# KiCad board OTTOdiy_SMD.kicad_pcb
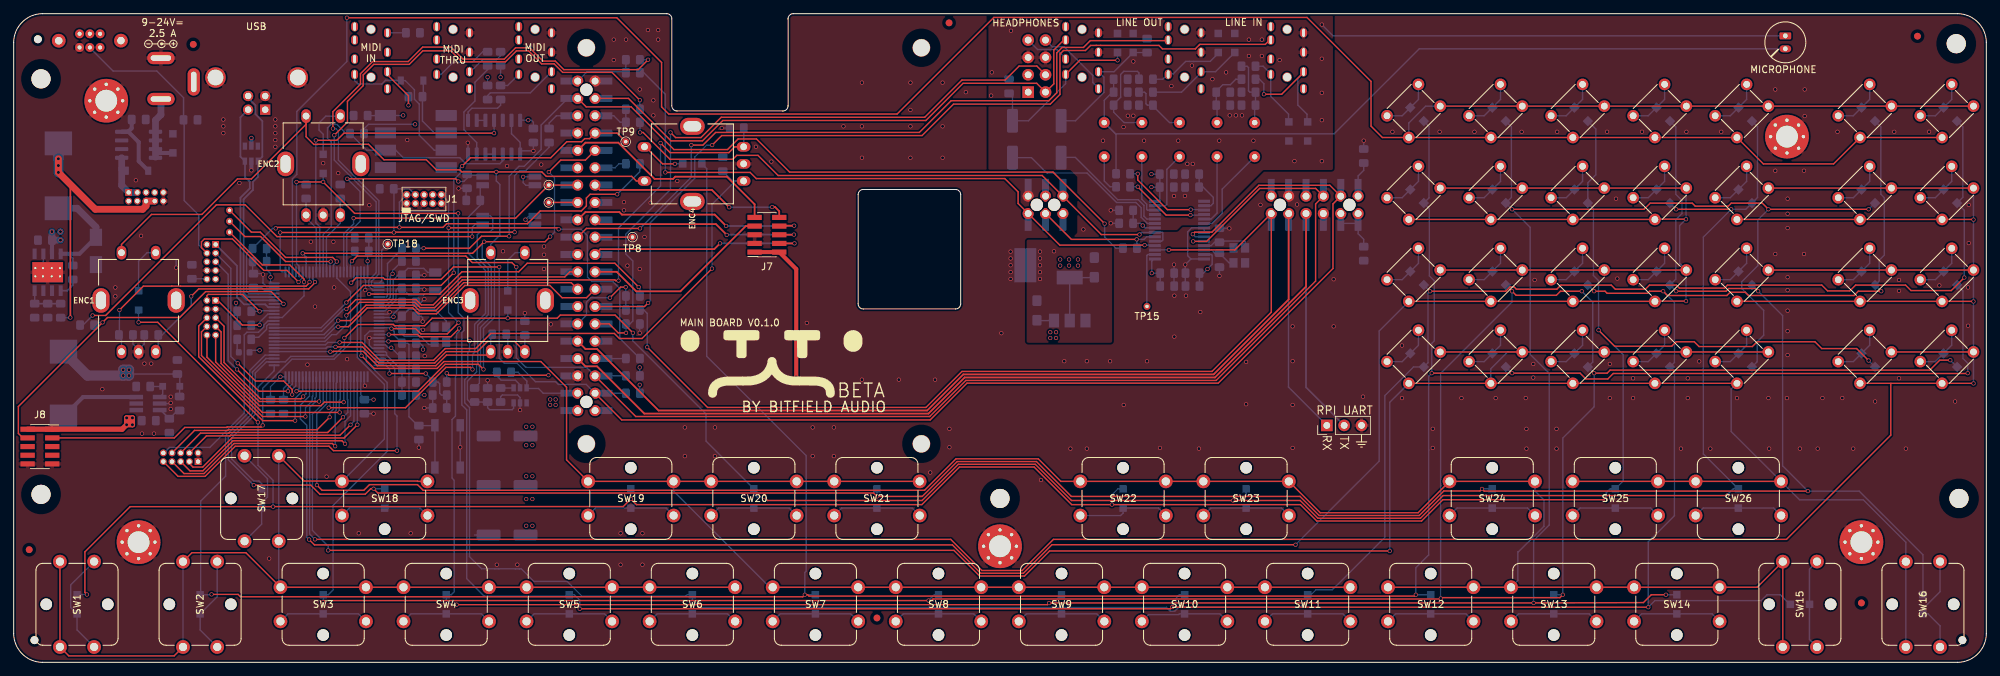
[diagram p0: board, top side]
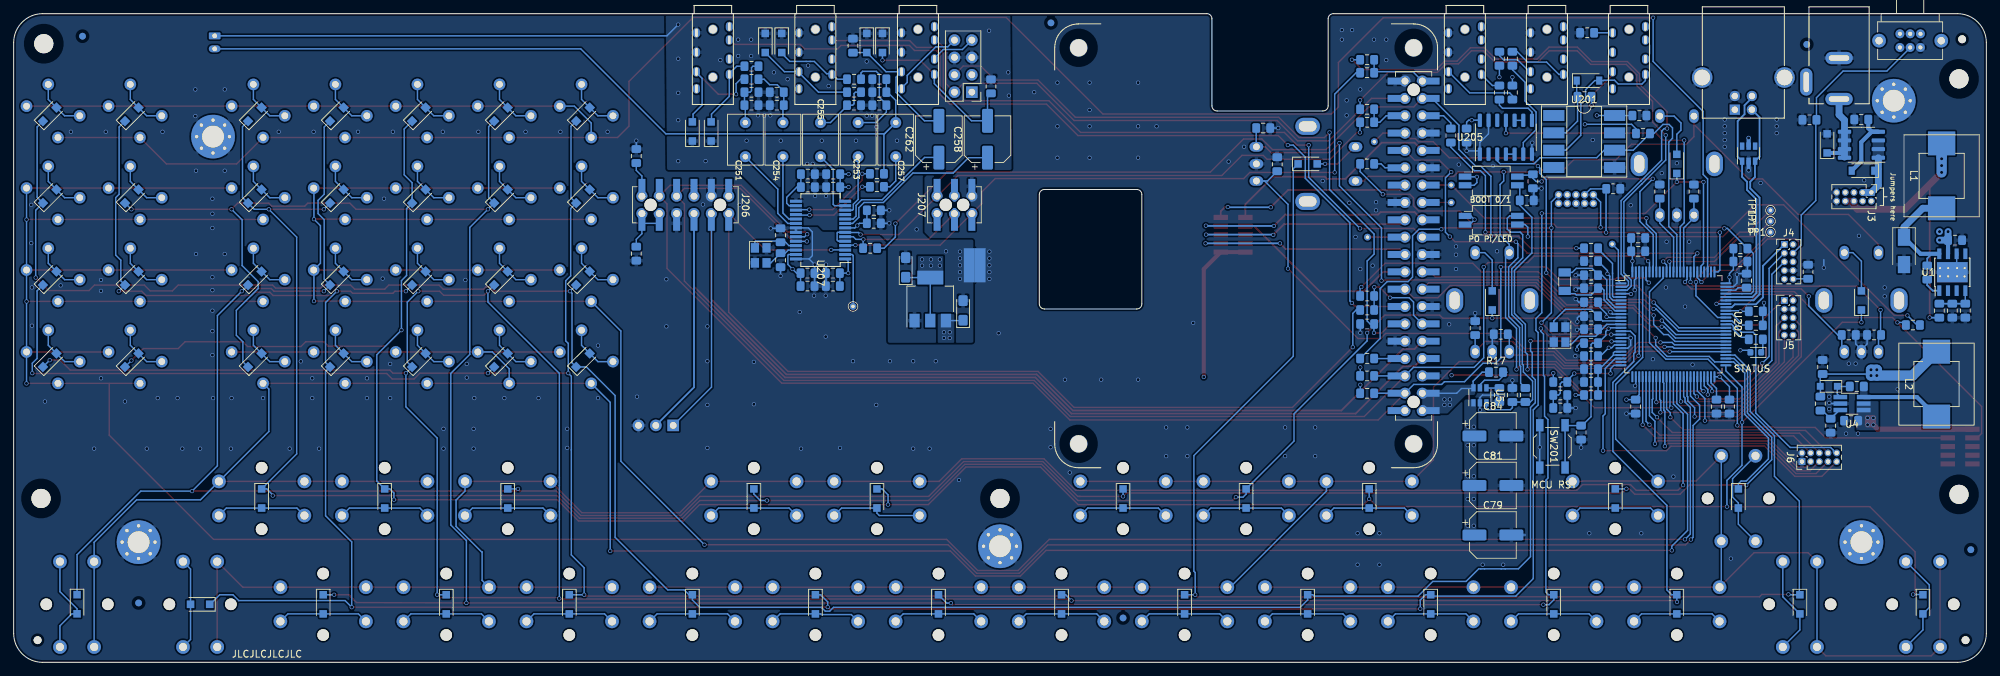
[diagram p1: board, bottom side, seen from below]

Outline 288.54 x 95 mm; copper layers: Top, In1.Cu, In2.Cu, Bottom. Coordinates in mm from the lower left corner of the outline.
Outline path: 0,90.75 0,4.25 arc(1.24,1.24) 4.25,0 284.29,0 arc(287.3,1.24) 288.54,4.25 288.54,90.75 arc(287.3,93.76) 284.29,95 114.02,95 arc(113.49,94.78) 113.27,94.25 113.27,81.5 arc(113.05,80.97) 112.52,80.75 97.02,80.75 arc(96.49,80.97) 96.27,81.5 96.27,94.25 arc(96.05,94.78) 95.52,95 4.25,95 arc(1.24,93.76) 0,90.75 ; 123.52,68.5 123.52,52.5 arc(123.74,51.97) 124.27,51.75 137.77,51.75 arc(138.3,51.97) 138.52,52.5 138.52,68.5 arc(138.3,69.03) 137.77,69.25 124.27,69.25 arc(123.74,69.03) 123.52,68.5

## Placement (name value [footprint] x y rotation side)
C1  10uF  [C_0805_2012Metric_Pad1.15x1.40mm_HandSolder]  4.57 61.83 0 bottom
C2  10nF  [C_0805_2012Metric_Pad1.15x1.40mm_HandSolder]  8.65 57.09 270 bottom
C3  10uF  [C_0805_2012Metric_Pad1.15x1.40mm_HandSolder]  26.07 57.2 270 bottom
C4  100nF  [C_0805_2012Metric_Pad1.15x1.40mm_HandSolder]  25.87 79.45 0 bottom
C48  100nF  [C_0805_2012Metric_Pad1.15x1.40mm_HandSolder]  59.27 33.65 90 bottom
C49  100nF  [C_0805_2012Metric_Pad1.15x1.40mm_HandSolder]  57.82 52.75 0 bottom
C50  100nF  [C_0805_2012Metric_Pad1.15x1.40mm_HandSolder]  57.82 44.85 0 bottom
C51  100nF  [C_0805_2012Metric_Pad1.15x1.40mm_HandSolder]  51.29 37.45 270 bottom
C52  100nF  [C_0805_2012Metric_Pad1.15x1.40mm_HandSolder]  37.57 37.45 270 bottom
C53  100nF  [C_0805_2012Metric_Pad1.15x1.40mm_HandSolder]  35.97 58.7 180 bottom
C54  100nF  [C_0805_2012Metric_Pad1.15x1.40mm_HandSolder]  50.92 60.2 180 bottom
C55  100nF  [C_0805_2012Metric_Pad1.15x1.40mm_HandSolder]  57.82 42.95 0 bottom
C56  100nF  [C_0805_2012Metric_Pad1.15x1.40mm_HandSolder]  62.32 37.25 0 bottom
C59  10uF  [C_0805_2012Metric_Pad1.15x1.40mm_HandSolder]  19.77 35.4 0 bottom
C60  100nF  [C_0805_2012Metric_Pad1.15x1.40mm_HandSolder]  16.42 47.95 0 bottom
C61  100nF  [C_0805_2012Metric_Pad1.15x1.40mm_HandSolder]  20.12 47.95 0 bottom
C62  100nF  [C_0805_2012Metric_Pad1.15x1.40mm_HandSolder]  42.77 68.95 90 bottom
C63  100nF  [C_0805_2012Metric_Pad1.15x1.40mm_HandSolder]  47.77 68.95 270 bottom
C64  100nF  [C_0805_2012Metric_Pad1.15x1.40mm_HandSolder]  71.02 48.05 0 bottom
C65  100nF  [C_0805_2012Metric_Pad1.15x1.40mm_HandSolder]  74.77 48.95 270 bottom
C66  100nF  [C_0805_2012Metric_Pad1.15x1.40mm_HandSolder]  103.72 72.95 90 bottom
C67  100nF  [C_0805_2012Metric_Pad1.15x1.40mm_HandSolder]  105.77 78.25 0 bottom
C68  100nF  [C_0805_2012Metric_Pad1.15x1.40mm_HandSolder]  50.74 80.07 0 bottom
C69  100nF  [C_0805_2012Metric_Pad1.15x1.40mm_HandSolder]  76.02 77.15 90 bottom
C70  100nF  [C_0805_2012Metric_Pad1.15x1.40mm_HandSolder]  168.72 57 0 bottom
C71  100nF  [C_0805_2012Metric_Pad1.15x1.40mm_HandSolder]  172.42 57 0 bottom
C72  100nF  [C_0805_2012Metric_Pad1.15x1.40mm_HandSolder]  168.67 69.6 0 bottom
C73  100nF  [C_0805_2012Metric_Pad1.15x1.40mm_HandSolder]  162.72 64.3 180 bottom
C74  100nF  [C_0805_2012Metric_Pad1.15x1.40mm_HandSolder]  172.37 69.6 180 bottom
C79  220uF  [CP_Elec_6.3x4.5]  72.17 18.65 0 bottom
C81  220uF  [CP_Elec_6.3x4.5]  72.17 25.9 0 bottom
C84  220uF  [CP_Elec_6.3x4.5]  72.17 33.15 0 bottom
C86  22nF  [C_0805_2012Metric_Pad1.15x1.40mm_HandSolder]  18.95 40.4 180 bottom
C87  10nF  [C_0805_2012Metric_Pad1.15x1.40mm_HandSolder]  71.22 39.15 270 bottom
C88  22uF  [C_0805_2012Metric_Pad1.15x1.40mm_HandSolder]  23.95 43.25 90 bottom
C96  15pF  [C_0805_2012Metric_Pad1.15x1.40mm_HandSolder]  57.82 56.7 0 bottom
C97  15pF  [C_0805_2012Metric_Pad1.15x1.40mm_HandSolder]  57.82 54.8 0 bottom
C98  100nF  [C_0805_2012Metric_Pad1.15x1.40mm_HandSolder]  58.4 92.2 180 bottom
C204  30pF  [C_0805_2012Metric_Pad1.15x1.40mm_HandSolder]  57.82 50.7 0 bottom
C205  30pF  [C_0805_2012Metric_Pad1.15x1.40mm_HandSolder]  57.82 48.8 0 bottom
C211  4.7uF  [C_0805_2012Metric_Pad1.15x1.40mm_HandSolder]  50.92 62.15 180 bottom
C218  1uF  [C_0805_2012Metric_Pad1.15x1.40mm_HandSolder]  57.82 58.75 180 bottom
C219  1uF  [C_0805_2012Metric_Pad1.15x1.40mm_HandSolder]  57.82 41.05 0 bottom
C221  2.2uF  [C_0805_2012Metric_Pad1.15x1.40mm_HandSolder]  39.47 37.45 270 bottom
C222  2.2uF  [C_0805_2012Metric_Pad1.15x1.40mm_HandSolder]  35.07 55.9 90 bottom
C243  10uF  [C_0805_2012Metric_Pad1.15x1.40mm_HandSolder]  168.72 55.1 180 bottom
C246  10uF  [C_0805_2012Metric_Pad1.15x1.40mm_HandSolder]  168.67 71.5 180 bottom
C247  10uF  [C_0805_2012Metric_Pad1.15x1.40mm_HandSolder]  172.42 55.1 180 bottom
C250  10uF  [C_0805_2012Metric_Pad1.15x1.40mm_HandSolder]  162.72 66.2 0 bottom
C251  1uF (AUDIO)  [C_Rect_L7.2mm_W5.0mm_P5.00mm_FKS2_FKP2_MKS2_MKP2]  181.52 74.05 90 bottom
C252  220pF (C0G)  [C_0805_2012Metric_Pad1.15x1.40mm_HandSolder]  180.62 81.6 180 bottom
C253  1uF (AUDIO)  [C_Rect_L7.2mm_W5.0mm_P5.00mm_FKS2_FKP2_MKS2_MKP2]  165.02 79.05 270 bottom
C254  1uF (AUDIO)  [C_Rect_L7.2mm_W5.0mm_P5.00mm_FKS2_FKP2_MKS2_MKP2]  176.02 74.05 90 bottom
C255  1uF (AUDIO)  [C_Rect_L7.2mm_W5.0mm_P5.00mm_FKS2_FKP2_MKS2_MKP2]  170.52 79.05 270 bottom
C256  220pF (C0G)  [C_0805_2012Metric_Pad1.15x1.40mm_HandSolder]  176.92 81.6 0 bottom
C257  1uF (AUDIO)  [C_Rect_L7.2mm_W5.0mm_P5.00mm_FKS2_FKP2_MKS2_MKP2]  159.52 74.05 90 bottom
C258  220uF  [CP_Elec_6.3x4.5]  146.1 76.61 270 bottom
C259  220pF (C0G)  [C_0805_2012Metric_Pad1.15x1.40mm_HandSolder]  161.92 83.5 0 bottom
C260  10uF  [C_0805_2012Metric_Pad1.15x1.40mm_HandSolder]  197.47 74.15 270 bottom
C261  10uF  [C_0805_2012Metric_Pad1.15x1.40mm_HandSolder]  197.47 59.85 90 bottom
C262  220uF  [CP_Elec_6.3x4.5]  153.21 76.61 270 bottom
C264  10uF  [C_0805_2012Metric_Pad1.15x1.40mm_HandSolder]  172.37 71.5 0 bottom
C265  30pF  [C_0805_2012Metric_Pad1.15x1.40mm_HandSolder]  176.37 62.55 90 bottom
C266  30pF  [C_0805_2012Metric_Pad1.15x1.40mm_HandSolder]  176.37 58.9 270 bottom
C267  10uf Tantalum  [CP_EIA-3216-18_Kemet-A_Pad1.58x1.35mm_HandSolder]  149.67 51.54 270 bottom
C268  10uf Tantalum  [CP_EIA-3216-18_Kemet-A_Pad1.58x1.35mm_HandSolder]  158.07 57.84 270 bottom
D1  SM4007PL  [D_SOD-123F]  9.27 8.5 270 bottom
D2  SM4007PL  [D_SOD-123F]  27.27 8.5 270 bottom
D3  SM4007PL  [D_SOD-123F]  45.27 8.5 270 bottom
D4  SM4007PL  [D_SOD-123F]  63.27 8.5 270 bottom
D5  SM4007PL  [D_SOD-123F]  81.27 8.5 270 bottom
D6  SM4007PL  [D_SOD-123F]  99.27 8.5 270 bottom
D7  SM4007PL  [D_SOD-123F]  117.27 8.5 270 bottom
D8  SM4007PL  [D_SOD-123F]  135.27 8.5 270 bottom
D9  SM4007PL  [D_SOD-123F]  153.27 8.5 270 bottom
D10  SM4007PL  [D_SOD-123F]  171.27 8.5 270 bottom
D11  SM4007PL  [D_SOD-123F]  189.27 8.5 270 bottom
D12  SM4007PL  [D_SOD-123F]  207.27 8.5 270 bottom
D13  SM4007PL  [D_SOD-123F]  225.27 8.5 270 bottom
D14  SM4007PL  [D_SOD-123F]  243.27 8.5 270 bottom
D15  SM4007PL  [D_SOD-123F]  261.27 8.5 0 bottom
D16  SM4007PL  [D_SOD-123F]  279.27 8.51 270 bottom
D17  SM4007PL  [D_SOD-123F]  36.27 24 270 bottom
D18  SM4007PL  [D_SOD-123F]  54.27 24 270 bottom
D19  SM4007PL  [D_SOD-123F]  90.27 24 270 bottom
D20  SM4007PL  [D_SOD-123F]  108.27 24 270 bottom
D21  SM4007PL  [D_SOD-123F]  126.27 24 270 bottom
D22  SM4007PL  [D_SOD-123F]  162.27 24 270 bottom
D23  SM4007PL  [D_SOD-123F]  180.27 24 270 bottom
D24  SM4007PL  [D_SOD-123F]  216.27 24 270 bottom
D25  SM4007PL  [D_SOD-123F]  234.27 24 270 bottom
D26  SM4007PL  [D_SOD-123F]  252.27 24 270 bottom
D27  SM4007PL  [D_SOD-123F]  205.27 44.25 135 bottom
D28  SM4007PL  [D_SOD-123F]  217.27 44.25 135 bottom
D29  SM4007PL  [D_SOD-123F]  229.27 44.25 135 bottom
D30  SM4007PL  [D_SOD-123F]  241.27 44.25 135 bottom
D31  SM4007PL  [D_SOD-123F]  253.27 44.25 135 bottom
D32  SM4007PL  [D_SOD-123F]  271.27 44.25 135 bottom
D33  SM4007PL  [D_SOD-123F]  283.27 44.25 135 bottom
D34  SM4007PL  [D_SOD-123F]  205.27 56.25 135 bottom
D35  SM4007PL  [D_SOD-123F]  217.27 56.25 135 bottom
D36  SM4007PL  [D_SOD-123F]  229.27 56.25 135 bottom
D37  SM4007PL  [D_SOD-123F]  241.27 56.25 135 bottom
D38  SM4007PL  [D_SOD-123F]  253.27 56.25 135 bottom
D39  SM4007PL  [D_SOD-123F]  271.27 56.25 135 bottom
D40  SM4007PL  [D_SOD-123F]  283.27 56.25 135 bottom
D41  SM4007PL  [D_SOD-123F]  205.27 68.25 135 bottom
D42  SM4007PL  [D_SOD-123F]  217.27 68.25 135 bottom
D43  SM4007PL  [D_SOD-123F]  229.27 68.25 135 bottom
D44  SM4007PL  [D_SOD-123F]  241.27 68.25 135 bottom
D45  SM4007PL  [D_SOD-123F]  253.27 68.25 135 bottom
D46  SM4007PL  [D_SOD-123F]  271.27 68.25 135 bottom
D47  SM4007PL  [D_SOD-123F]  283.27 68.25 135 bottom
D48  15V BI TVS  [D_SOD-123F]  23.29 76 90 bottom
D49  15V ZENER  [D_SOD-123]  18.04 72 0 bottom
D50  6V BI TVS  [D_SOD-123F]  189.27 77.75 90 bottom
D51  6V BI TVS  [D_SOD-123F]  186.52 77.75 90 bottom
D52  6V BI TVS  [D_SOD-123F]  178.61 90.71 270 bottom
D53  6V BI TVS  [D_SOD-123F]  176.19 90.71 270 bottom
D54  1N4148  [D_SOD-323_HandSoldering]  23.05 40.42 0 bottom
D55  6V BI TVS  [D_SOD-123F]  163.75 90.71 270 bottom
D56  6V BI TVS  [D_SOD-123F]  161.46 90.71 270 bottom
D57  RED LED  [LED_0603_1608Metric]  33.72 45.4 0 bottom
D58  SM4007PL  [D_SOD-123F]  205.27 80.25 135 bottom
D59  SM4007PL  [D_SOD-123F]  217.27 80.25 135 bottom
D60  SM4007PL  [D_SOD-123F]  229.27 80.25 135 bottom
D61  SM4007PL  [D_SOD-123F]  241.27 80.25 135 bottom
D62  SM4007PL  [D_SOD-123F]  253.27 80.25 135 bottom
D63  SM4007PL  [D_SOD-123F]  271.27 80.25 135 bottom
D64  SM4007PL  [D_SOD-123F]  283.27 80.25 135 bottom
D65  SS34  [D_SMA]  12.04 60.25 270 bottom
D202  SM4007PL  [D_SOD-123F]  18.27 53 90 bottom
D203  SM4007PL  [D_SOD-123F]  72.27 53 90 bottom
D204  SM4007PL  [D_SOD-123F]  45.27 73 90 bottom
D205  SM4007PL  [D_SOD-123F]  99.27 73 180 bottom
D206  1N4148W  [D_SOD-123]  58.27 85.2 180 bottom
DC201  Barrel Jack, 2.0mmID, 6.5mmOD  [BarrelJack_2.0mmID_6.5mmOD]  21.54 96 180 bottom
ENC1  ALPS EC11E183440C  [ALPS_EC11]  18.27 53 0 top
ENC2  ALPS EC11E183440C  [ALPS_EC11]  45.27 73 0 top
ENC3  ALPS EC11E183440C  [ALPS_EC11]  72.27 53 0 top
ENC4  ALPS EC11E183440C  [ALPS_EC11]  99.27 73 90 top
FID1  Fiducial  [Fiducial_1mm_Mask2mm]  26.27 90.5 0 top
FID2  Fiducial  [Fiducial_1mm_Mask2mm]  2.27 16.5 0 top
FID3  Fiducial  [Fiducial_1mm_Mask2mm]  136.82 93.65 0 top
FID4  Fiducial  [Fiducial_1mm_Mask2mm]  126.27 6.5 0 top
FID5  Fiducial  [Fiducial_1mm_Mask2mm]  278.47 91.7 0 top
FID6  Fiducial  [Fiducial_1mm_Mask2mm]  270.27 8.7 0 top
FID7  Fiducial  [Fiducial_1mm_Mask2mm]  26.27 90.5 0 bottom
FID8  Fiducial  [Fiducial_1mm_Mask2mm]  2.27 16.5 0 bottom
FID9  Fiducial  [Fiducial_1mm_Mask2mm]  136.82 93.65 0 bottom
FID10  Fiducial  [Fiducial_1mm_Mask2mm]  126.27 6.5 0 bottom
FID11  Fiducial  [Fiducial_1mm_Mask2mm]  278.47 91.7 0 bottom
FID12  Fiducial  [Fiducial_1mm_Mask2mm]  270.27 8.7 0 bottom
G***  otto_logo  [otto_logo_small]  110.94 43.51 0 top
H1  MountingHole_Pad  [MountingHole_3.2mm_M3_Pad_Via]  13.54 82.25 0 top
H2  MountingHole_Pad  [MountingHole_3.2mm_M3_Pad_Via]  259.38 76.99 0 top
H3  MountingHole_Pad  [MountingHole_3.2mm_M3_Pad_Via]  18.27 17.6 0 top
H4  MountingHole_Pad  [MountingHole_3.2mm_M3_Pad_Via]  270.27 17.6 0 top
H5  MountingHole_Pad  [MountingHole_3.2mm_M3_Pad_Via]  144.27 17 0 top
H101  Tooling Hole  [JLC_TOOLING_HOLE]  3.04 3.25 0 top
H102  Tooling Hole  [JLC_TOOLING_HOLE]  285.04 3.25 0 top
H103  Tooling Hole  [JLC_TOOLING_HOLE]  3.54 91.25 0 top
H201  MountingHole  [Mounting_Hole_M2.5_Loose_Fit]  4 85.45 0 top
H202  MountingHole  [Mounting_Hole_M2.5_Loose_Fit]  284.14 90.6 0 top
H203  MountingHole  [Mounting_Hole_M2.5_Loose_Fit]  4 24.6 0 top
H204  MountingHole  [Mounting_Hole_M2.5_Loose_Fit]  284.54 24 0 top
H205  MountingHole  [Mounting_Hole_M2.5_Loose_Fit]  144.27 24 0 top
J1  Conn_ARM_JTAG_SWD_10  [20021111-00010T4LF_SWD_HEADER]  60.02 67.85 0 top
J2  Conn_02x04  [PinHeader_2x04_P2.54mm_Vertical]  148.39 83.51 0 bottom
J3  Conn_02x05  [PinHeader_2x05_P1.27mm_Vertical]  16.82 68.82 270 bottom
J4  Conn_02x05  [PinHeader_2x05_P1.27mm_Vertical]  29.54 61.2 180 bottom
J5  Conn_02x05  [PinHeader_2x05_P1.27mm_Vertical]  29.54 53 180 bottom
J6  Conn_02x05  [PinHeader_2x05_P1.27mm_Vertical]  26.97 29.4 90 bottom
J7  Conn_02x05_Odd_Even  [PinSocket_2x05_P1.27mm_Vertical_SMD]  110.18 62.62 180 top
J8  Conn_02x05_Odd_Even  [PinSocket_2x05_P1.27mm_Vertical_SMD]  3.84 31.6 0 top
J9  Conn_01x03  [PinHeader_1x03_P2.54mm_Vertical]  192.07 34.7 90 top
J201  Raspberry Pi Connector  [Raspberry_Pi_A_FacingDown_TH]  83.77 61 180 bottom
J206  Conn_02x06  [Harwin_M20-7810645_2x06_P2.54mm_Vertical_SolderHoles]  190.3 67 270 bottom
J207  Conn_02x03  [Harwin_M20-7810345_2x03_P2.54mm_Vertical_SolderHoles]  150.93 67 270 bottom
L1  15uH  [L_10.5x11.5]  6.54 71.25 90 bottom
L2  15uH  [L_10.5x11.5]  7.29 40.75 90 bottom
MK201  Microphone  [INGHAi_GMI6050p]  259.14 90.8 270 top
NT1  Net-Tie_2  [NetTie-2_Pad5.0mm]  147.97 58.15 180 bottom
Q1  AO4407A  [SOIC-8_3.9x4.9mm_P1.27mm]  18.27 75.8 90 bottom
R1  0  [R_0805_2012Metric_Pad1.15x1.40mm_HandSolder]  90.57 73 0 bottom
R2  0  [R_0805_2012Metric_Pad1.15x1.40mm_HandSolder]  78.32 77.15 90 bottom
R3  0  [R_0805_2012Metric_Pad1.15x1.40mm_HandSolder]  90.57 44.5 180 bottom
R4  47k  [R_0805_2012Metric_Pad1.15x1.40mm_HandSolder]  57.82 46.75 180 bottom
R6  4.7K  [R_0805_2012Metric_Pad1.15x1.40mm_HandSolder]  35.97 60.6 180 bottom
R7  4.7K  [R_0805_2012Metric_Pad1.15x1.40mm_HandSolder]  54.57 69.35 180 bottom
R9  49.9k  [R_0805_2012Metric_Pad1.15x1.40mm_HandSolder]  24.27 37.9 270 bottom
R11  4.3k  [R_0805_2012Metric_Pad1.15x1.40mm_HandSolder]  4.97 51.5 270 bottom
R13  100k  [R_0805_2012Metric_Pad1.15x1.40mm_HandSolder]  18.29 79.5 0 bottom
R14  10k  [R_0805_2012Metric_Pad1.15x1.40mm_HandSolder]  6.87 51.5 90 bottom
R15  13k  [R_0805_2012Metric_Pad1.15x1.40mm_HandSolder]  3.07 51.5 270 bottom
R16  100k  [R_0805_2012Metric_Pad1.15x1.40mm_HandSolder]  69.32 39.15 90 bottom
R17  0  [R_0805_2012Metric_Pad1.15x1.40mm_HandSolder]  71.72 42.5 180 bottom
R18  16k  [R_0805_2012Metric_Pad1.15x1.40mm_HandSolder]  22.77 34.65 270 bottom
R19  0  [R_0805_2012Metric_Pad1.15x1.40mm_HandSolder]  57.82 39.15 0 bottom
R26  100k  [R_0805_2012Metric_Pad1.15x1.40mm_HandSolder]  90.57 49.55 0 bottom
R28  330  [R_0805_2012Metric_Pad1.15x1.40mm_HandSolder]  33.72 47.3 180 bottom
R29  10k  [R_0805_2012Metric_Pad1.15x1.40mm_HandSolder]  62.32 39.15 180 bottom
R30  10k  [R_0805_2012Metric_Pad1.15x1.40mm_HandSolder]  62.32 41.05 180 bottom
R31  10k  [R_0805_2012Metric_Pad1.15x1.40mm_HandSolder]  67.42 39.15 90 bottom
R32  10k  [R_0805_2012Metric_Pad1.15x1.40mm_HandSolder]  10.74 49.4 0 bottom
R202  2.2k  [R_0805_2012Metric_Pad1.15x1.40mm_HandSolder]  90.57 41.95 180 bottom
R203  47k  [R_0805_2012Metric_Pad1.15x1.40mm_HandSolder]  66.32 70.45 90 bottom
R204  47k  [R_0805_2012Metric_Pad1.15x1.40mm_HandSolder]  67.22 67.65 0 bottom
R205  2.2k  [R_0805_2012Metric_Pad1.15x1.40mm_HandSolder]  90.57 39.4 180 bottom
R206  2.2k  [R_0805_2012Metric_Pad1.15x1.40mm_HandSolder]  33.72 51.4 180 bottom
R207  2.2k  [R_0805_2012Metric_Pad1.15x1.40mm_HandSolder]  33.72 49.35 0 bottom
R212  10  [R_0805_2012Metric_Pad1.15x1.40mm_HandSolder]  71.22 83.45 90 bottom
R213  33  [R_0805_2012Metric_Pad1.15x1.40mm_HandSolder]  69.32 83.45 270 bottom
R214  10  [R_0805_2012Metric_Pad1.15x1.40mm_HandSolder]  69.32 88.4 90 bottom
R215  33  [R_0805_2012Metric_Pad1.15x1.40mm_HandSolder]  71.22 88.4 90 bottom
R216  270  [R_0805_2012Metric_Pad1.15x1.40mm_HandSolder]  50.22 77.45 180 bottom
R217  220  [R_0805_2012Metric_Pad1.15x1.40mm_HandSolder]  58.77 82.85 180 bottom
R218  5.1k  [R_0805_2012Metric_Pad1.15x1.40mm_HandSolder]  180.62 87.3 0 bottom
R219  5.1k  [R_0805_2012Metric_Pad1.15x1.40mm_HandSolder]  180.62 83.5 180 bottom
R220  100  [R_0805_2012Metric_Pad1.15x1.40mm_HandSolder]  165.62 85.4 0 bottom
R221  47k  [R_0805_2012Metric_Pad1.15x1.40mm_HandSolder]  161.92 81.6 180 bottom
R222  5.1k  [R_0805_2012Metric_Pad1.15x1.40mm_HandSolder]  180.62 85.4 0 bottom
R223  100  [R_0805_2012Metric_Pad1.15x1.40mm_HandSolder]  165.62 83.5 0 bottom
R224  5.1k  [R_0805_2012Metric_Pad1.15x1.40mm_HandSolder]  176.92 83.5 0 bottom
R225  47k  [R_0805_2012Metric_Pad1.15x1.40mm_HandSolder]  165.62 81.6 0 bottom
R226  680  [R_0805_2012Metric_Pad1.15x1.40mm_HandSolder]  162.27 71.55 180 bottom
R227  330  [R_0805_2012Metric_Pad1.15x1.40mm_HandSolder]  162.27 69.65 180 bottom
R228  47k  [R_0805_2012Metric_Pad1.15x1.40mm_HandSolder]  145.59 84.36 270 bottom
R229  47k  [R_0805_2012Metric_Pad1.15x1.40mm_HandSolder]  161.92 85.4 180 bottom
R230  47k  [R_0805_2012Metric_Pad1.15x1.40mm_HandSolder]  165.78 90.32 270 bottom
R231  33  [R_0805_2012Metric_Pad1.15x1.40mm_HandSolder]  90.57 51.6 0 bottom
R232  33  [R_0805_2012Metric_Pad1.15x1.40mm_HandSolder]  90.57 79.1 0 bottom
R233  33  [R_0805_2012Metric_Pad1.15x1.40mm_HandSolder]  163.27 60.65 0 bottom
R234  33  [R_0805_2012Metric_Pad1.15x1.40mm_HandSolder]  90.57 86.35 0 bottom
R235  33  [R_0805_2012Metric_Pad1.15x1.40mm_HandSolder]  90.57 53.65 0 bottom
R236  33  [R_0805_2012Metric_Pad1.15x1.40mm_HandSolder]  90.57 81 0 bottom
R237  33  [R_0805_2012Metric_Pad1.15x1.40mm_HandSolder]  57.82 60.65 180 bottom
R238  33  [R_0805_2012Metric_Pad1.15x1.40mm_HandSolder]  90.57 88.25 0 bottom
SW1  ALPS SKHC  [ALPS_SKHC_white]  9.27 8.5 270 top
SW2  ALPS SKHC  [ALPS_SKHC_white]  27.27 8.5 270 top
SW3  ALPS SKHC  [ALPS_SKHC_white]  45.27 8.5 180 top
SW4  ALPS SKHC  [ALPS_SKHC_white]  63.27 8.5 180 top
SW5  ALPS SKHC  [ALPS_SKHC_white]  81.27 8.5 180 top
SW6  ALPS SKHC  [ALPS_SKHC_white]  99.27 8.5 180 top
SW7  ALPS SKHC  [ALPS_SKHC_white]  117.27 8.5 180 top
SW8  ALPS SKHC  [ALPS_SKHC_white]  135.27 8.5 180 top
SW9  ALPS SKHC  [ALPS_SKHC_white]  153.27 8.5 180 top
SW10  ALPS SKHC  [ALPS_SKHC_white]  171.27 8.5 180 top
SW11  ALPS SKHC  [ALPS_SKHC_white]  189.27 8.5 180 top
SW12  ALPS SKHC  [ALPS_SKHC_white]  207.27 8.5 180 top
SW13  ALPS SKHC  [ALPS_SKHC_white]  225.27 8.5 180 top
SW14  ALPS SKHC  [ALPS_SKHC_white]  243.27 8.5 180 top
SW15  ALPS SKHC  [ALPS_SKHC_white]  261.27 8.5 270 top
SW16  ALPS SKHC  [ALPS_SKHC_white]  279.27 8.5 270 top
SW17  ALPS SKHC  [ALPS_SKHC_black]  36.27 24 90 top
SW18  ALPS SKHC  [ALPS_SKHC_black]  54.27 24 180 top
SW19  ALPS SKHC  [ALPS_SKHC_black]  90.27 24 180 top
SW20  ALPS SKHC  [ALPS_SKHC_black]  108.27 24 180 top
SW21  ALPS SKHC  [ALPS_SKHC_black]  126.27 24 180 top
SW22  ALPS SKHC  [ALPS_SKHC_black]  162.27 24 180 top
SW23  ALPS SKHC  [ALPS_SKHC_black]  180.27 24 180 top
SW24  ALPS SKHC  [ALPS_SKHC_black]  216.27 24 180 top
SW25  ALPS SKHC  [ALPS_SKHC_black]  234.27 24 180 top
SW26  ALPS SKHC  [ALPS_SKHC_black]  252.27 24 180 top
SW27  6x6x13mm  [6x6mm_Switch]  204.77 44.75 45 top
SW28  6x6x13mm  [6x6mm_Switch]  216.77 44.75 45 top
SW29  6x6x13mm  [6x6mm_Switch]  228.77 44.75 45 top
SW30  6x6x13mm  [6x6mm_Switch]  240.77 44.75 45 top
SW31  6x6x13mm  [6x6mm_Switch]  252.77 44.75 45 top
SW32  6x6x13mm  [6x6mm_Switch]  270.77 44.75 45 top
SW33  6x6x13mm  [6x6mm_Switch]  282.77 44.75 45 top
SW34  6x6x13mm  [6x6mm_Switch]  204.77 56.75 45 top
SW35  6x6x13mm  [6x6mm_Switch]  216.77 56.75 45 top
SW36  6x6x13mm  [6x6mm_Switch]  228.77 56.75 45 top
SW37  6x6x13mm  [6x6mm_Switch]  240.77 56.75 45 top
SW38  6x6x13mm  [6x6mm_Switch]  252.77 56.75 45 top
SW39  6x6x13mm  [6x6mm_Switch]  270.77 56.75 45 top
SW40  6x6x13mm  [6x6mm_Switch]  282.77 56.75 45 top
SW41  6x6x13mm  [6x6mm_Switch]  204.77 68.75 45 top
SW42  6x6x13mm  [6x6mm_Switch]  216.77 68.75 45 top
SW43  6x6x13mm  [6x6mm_Switch]  228.77 68.75 45 top
SW44  6x6x13mm  [6x6mm_Switch]  240.77 68.75 45 top
SW45  6x6x13mm  [6x6mm_Switch]  252.77 68.75 45 top
SW46  6x6x13mm  [6x6mm_Switch]  270.77 68.75 45 top
SW47  6x6x13mm  [6x6mm_Switch]  282.77 68.75 45 top
SW48  SW_DIP_x02  [SW_DIP_SPSTx02_Slide_HRO_EP-02KS]  72.42 64.75 180 bottom
SW49  SW_DPDT_x2  [SSAC120100]  11.14 91.05 0 bottom
SW50  6x6x13mm  [6x6mm_Switch]  204.77 80.75 45 top
SW51  6x6x13mm  [6x6mm_Switch]  216.77 80.75 45 top
SW52  6x6x13mm  [6x6mm_Switch]  228.77 80.75 45 top
SW53  6x6x13mm  [6x6mm_Switch]  240.77 80.75 45 top
SW54  6x6x13mm  [6x6mm_Switch]  252.77 80.75 45 top
SW55  6x6x13mm  [6x6mm_Switch]  270.77 80.75 45 top
SW56  6x6x13mm  [6x6mm_Switch]  282.77 80.75 45 top
SW201  5.2x5.2x1.5mm  [SW_SPST_5.2x5.2x1.5mm]  63.47 31.62 270 bottom
SW202  SW_DIP_x02  [SW_DIP_SPSTx02_Slide_HRO_EP-02KS]  72.42 70.5 180 bottom
TP1  TestPoint  [TestPoint_THTPad_D1.0mm_Drill0.5mm]  31.57 63 180 bottom
TP2  TestPoint  [TestPoint_THTPad_D1.0mm_Drill0.5mm]  78.27 67.35 0 top
TP7  TestPoint  [TestPoint_THTPad_D1.0mm_Drill0.5mm]  78.27 69.9 0 top
TP8  TestPoint  [TestPoint_THTPad_D1.0mm_Drill0.5mm]  90.52 62.27 0 top
TP9  TestPoint  [TestPoint_THTPad_D1.0mm_Drill0.5mm]  89.52 76.25 0 top
TP15  TestPoint  [TestPoint_THTPad_D1.0mm_Drill0.5mm]  165.77 52.12 0 bottom
TP16  TestPoint  [TestPoint_THTPad_D1.0mm_Drill0.5mm]  31.57 64.6 90 bottom
TP17  TestPoint  [TestPoint_THTPad_D1.0mm_Drill0.5mm]  31.57 66.2 270 bottom
TP18  TestPoint  [TestPoint_THTPad_D1.0mm_Drill0.5mm]  54.72 61.25 0 top
TRS201  PJ-3930-8A  [3.5mm_jack_PJ-3930-8A]  76.27 95 270 bottom
TRS202  PJ-3930-8A  [3.5mm_jack_PJ-3930-8A]  64.27 95 270 bottom
TRS203  PJ-3930-8A  [3.5mm_jack_PJ-3930-8A]  52.27 95 270 bottom
TRS204  PJ-3930-8A  [3.5mm_jack_PJ-3930-8A]  186.27 95 270 bottom
TRS205  PJ-3930-8A  [3.5mm_jack_PJ-3930-8A]  171.27 95 270 bottom
TRS206  PJ-3930-8A  [3.5mm_jack_PJ-3930-8A]  156.27 95 270 bottom
U1  TPS5430DDA  [TI_SO-PowerPAD-8_ThermalVias]  4.97 57.13 180 bottom
U4  MP2359  [TSOT-23-6_HandSoldering]  19.65 37.9 0 bottom
U5  TPS22918_SOT23-6_A  [SOT-23-6]  74.07 39.1 270 bottom
U201  6N137  [DIP-8_W8.89mm_SMDSocket_LongPads]  58.82 76.27 180 bottom
U202  STM32F407VGTx  [LQFP-100_14x14mm_P0.5mm]  45.77 49.5 270 bottom
U204  SRV05-4  [SOT-23-6]  34.77 74.5 270 bottom
U205  SN74HC14  [SOIC-14_3.9x8.7mm_P1.27mm]  70.27 76.9 180 bottom
U207  WM8731  [SSOP-28_5.3x10.2mm_P0.65mm]  170.52 63.3 90 bottom
U208  AMS1117-3.3  [SOT-223-3_TabPin2]  154.47 53.2 270 bottom
USB201  -  [USB_B]  35.54 96 180 bottom
Y201  25MHz  [Crystal_SMD_3225-4Pin_3.2x2.5mm]  62.42 48 90 bottom
Y202  32.768kHz  [Crystal_SMD_3215-2Pin_3.2x1.5mm_HandSoldering]  61.67 55.75 270 bottom
Y203  12.288MHz  [Crystal_SMD_3225-4Pin_3.2x2.5mm]  179.27 59.6 270 bottom
